# Altium PCB fmuvxX-baseT1.PcbDoc (part 1 of 5) (continued)
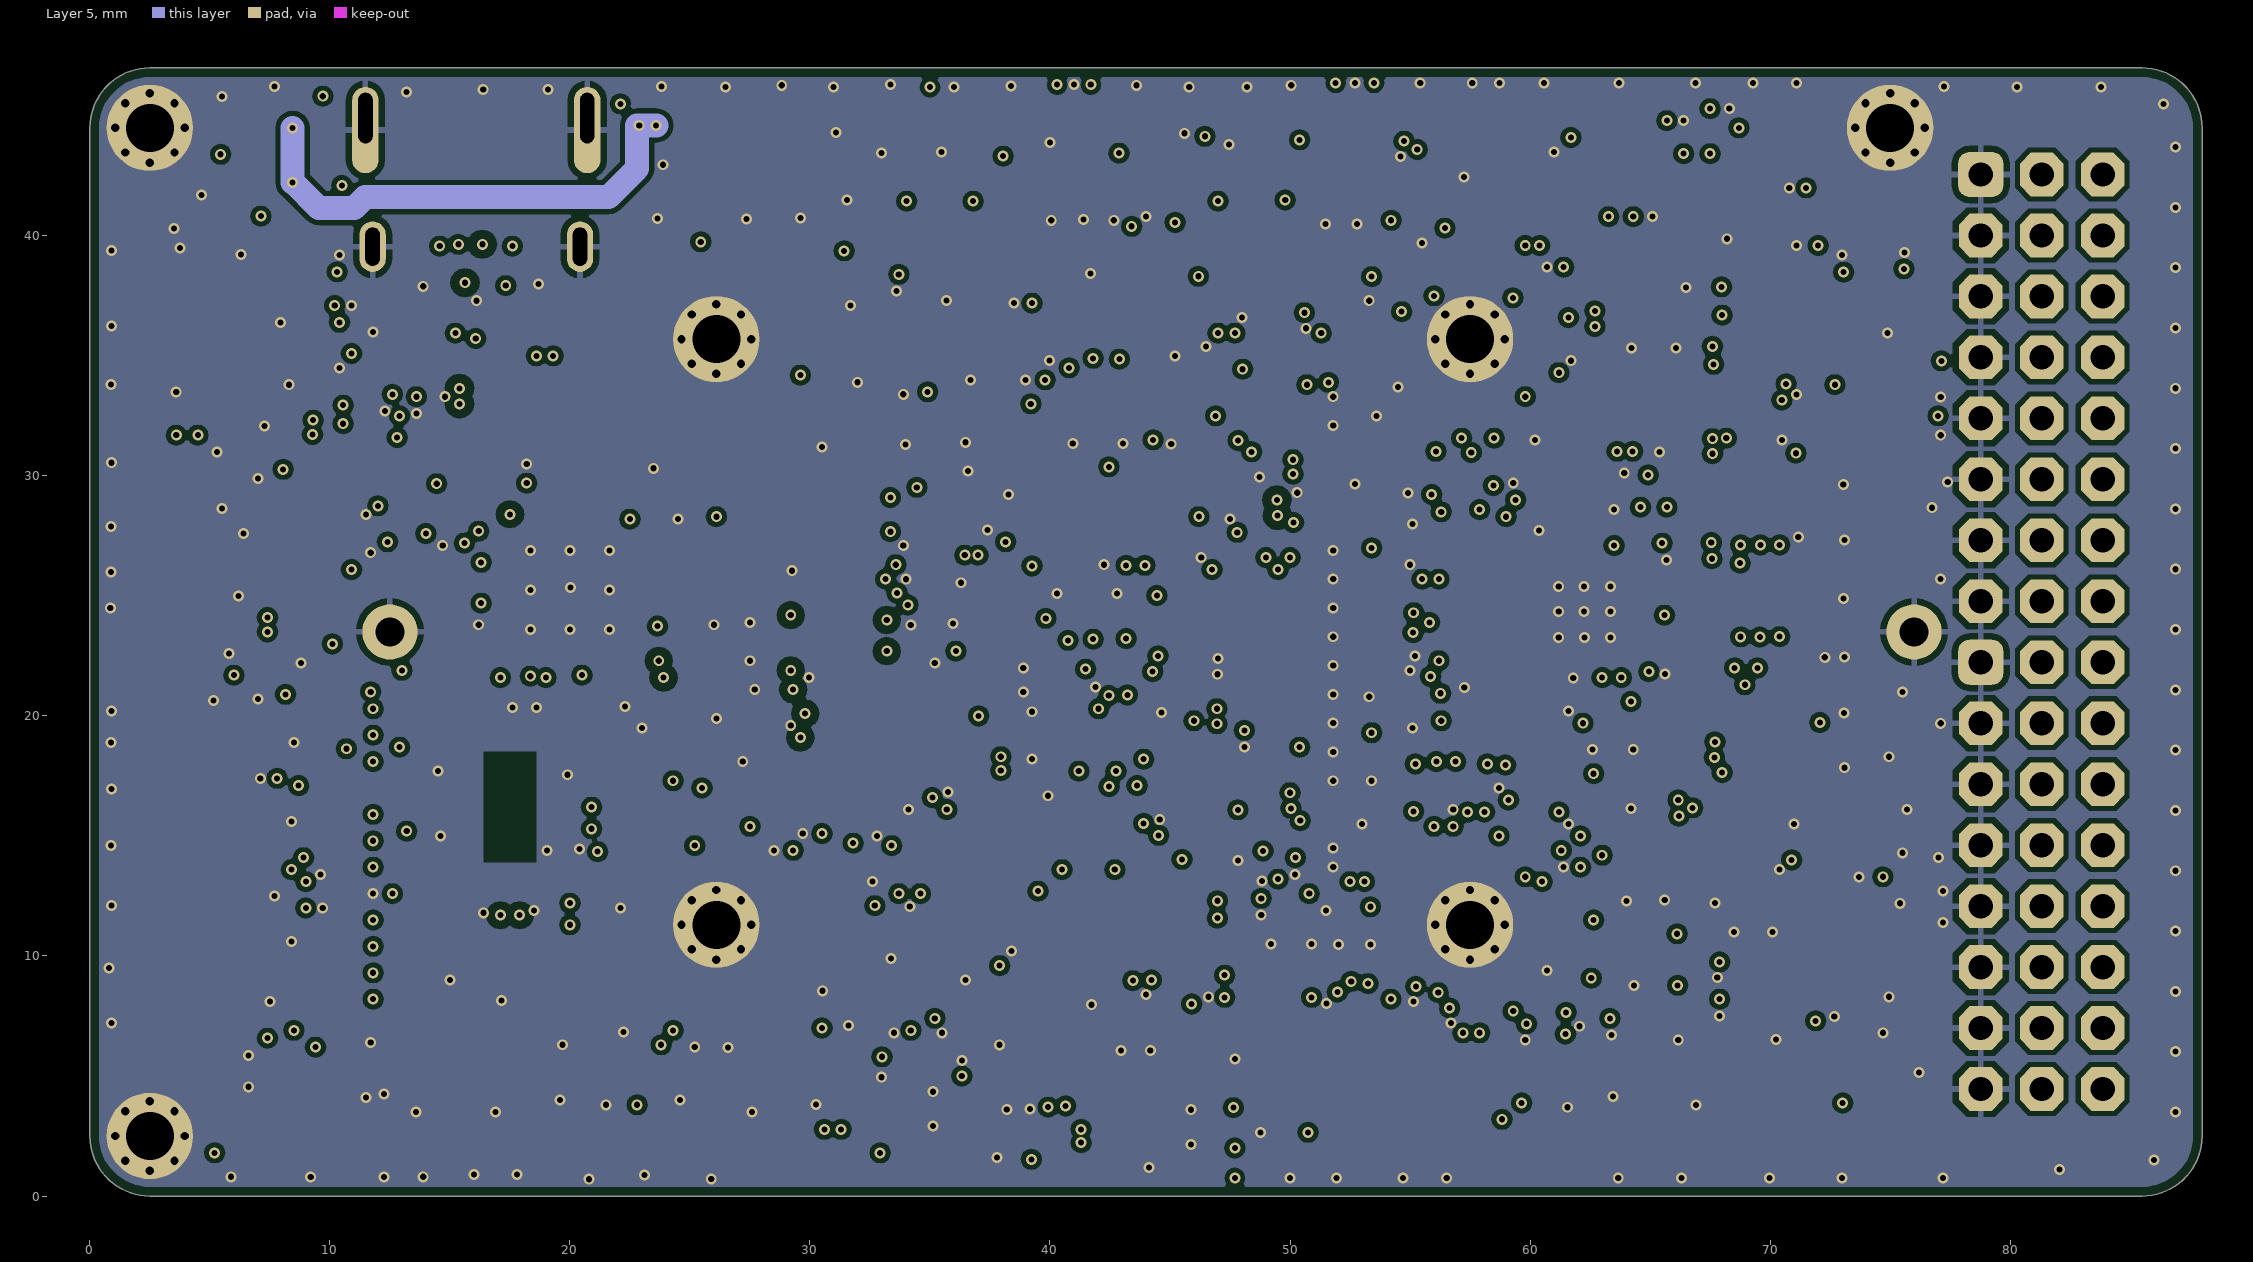
[diagram p5: Layer 5]
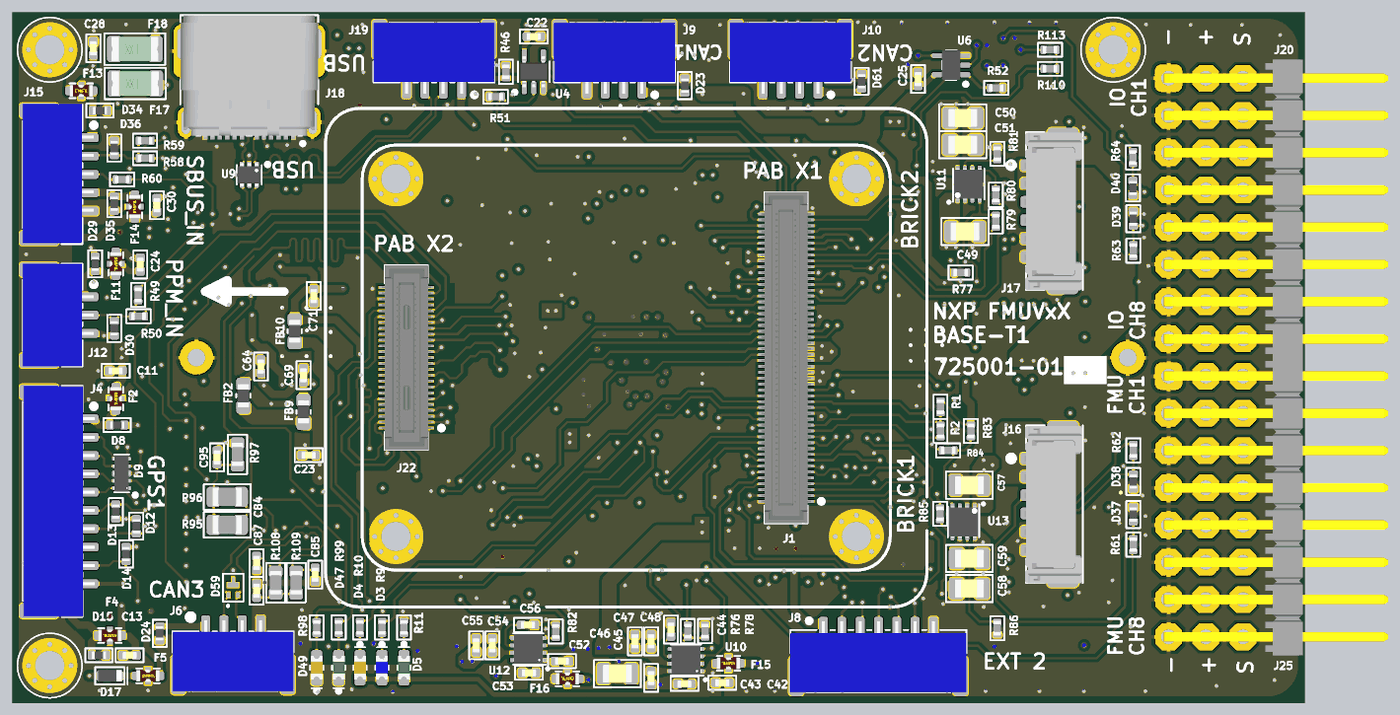
[diagram p10: 3D render of the assembled board from above, using the file's embedded part models]
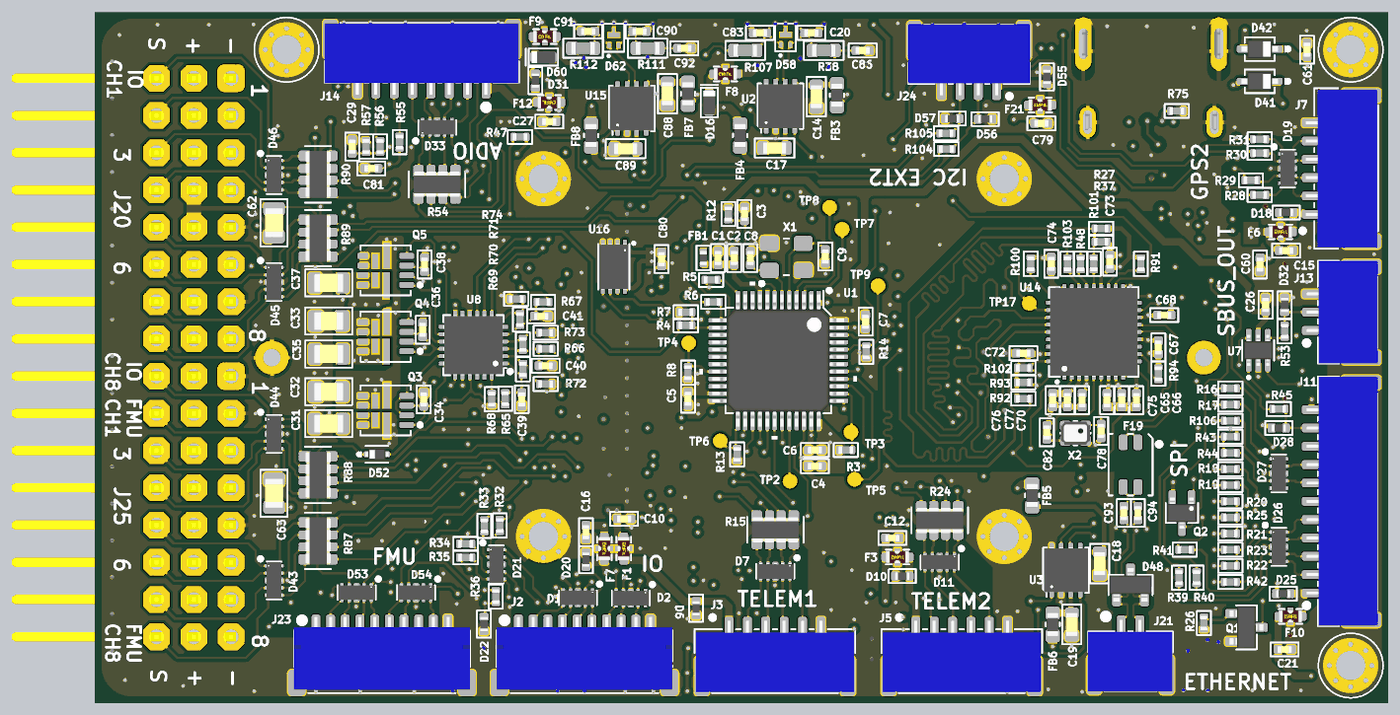
[diagram p11: 3D render of the assembled board from below, using the file's embedded part models]

## Layer stack, top to bottom
Top Solder: solder mask 0.013, Solder Resist, Dk 3.3
Top Layer: signal copper 0.036
Dielectric 1: prepreg 0.102, PP-006, Dk 4.3
Layer 2: signal copper 0.036
Dielectric 2: core 0.145, Core-016, Dk 4.3
Signal Layer 3: signal copper 0.036
Dielectric 3: prepreg 0.838, PP-006, Dk 4.3
Signal Layer 4: signal copper 0.036
Dielectric 4: core 0.145, Core-016, Dk 4.3
Layer 5: signal copper 0.036
Dielectric 5: prepreg 0.102, PP-006, Dk 4.3
Bottom Layer: signal copper 0.036
Bottom Solder: solder mask 0.013, Solder Resist, Dk 3.3

## Board outline
0,2.5 0,44.5 cw(c2.5,44.5) 2.5,47 85.5,47 cw(c85.5,44.5) 88,44.5 88,2.5 cw(c85.5,2.5) 85.5,0 2.5,0 cw(c2.5,2.5)

## Design rules (kind name [scope] priority, off if disabled: settings)
AcuteAngle [All] p1: minimum=6.00000000000000E+0001 checktracksonly=FALSE
BoardOutlineClearance BoardOutlineClearance_silk [OnLayer('Top Overlay') or OnLayer('Bottom Overlay')] p1: gap=0.003 ignorepadtopadclearanceinfootprint=FALSE
BoardOutlineClearance [All] p2: gap=0.381 ignorepadtopadclearanceinfootprint=FALSE
Clearance Eth_Polygon_Clearance [InNet('ETH_TRX_P') or  InNet('ETH_TRX_N') or InNet('TRX_FL_P') or  InNet('TRX_FL_N') or InNet('TRX_P') or  InNet('TRX_N') or InNetClass('ETH') vs InPolygon] p1: gap=0.35 ignorepadtopadclearanceinfootprint=FALSE
Clearance USB_Polygon_Clearance [InNet('USB_D_N') or  InNet('USB_D_P') or InNet('USB_N') or  InNet('USB_P') vs InPolygon] p2: gap=0.372 ignorepadtopadclearanceinfootprint=FALSE
Clearance polygon_Clearance [InPolygon] p3: gap=0.203 ignorepadtopadclearanceinfootprint=FALSE
Clearance [All] p4: gap=0.15 ignorepadtopadclearanceinfootprint=FALSE except(0.178: Arc-Hole Track-Hole SMDPad-Hole THPad-Hole Via-Hole Fill-Hole Poly-Hole Region-Hole)
ComponentClearance ComponentClearance_J20_J25 [InComponent('J20') vs InComponent('J25')] p1: gap=0 collisioncheckmode=3 verticalgap=0.254 showdistances=FALSE
ComponentClearance [All] p2: gap=0.254 collisioncheckmode=3 verticalgap=0.254 showdistances=FALSE
DiffPairsRouting DiffPairsRouting_90 [InDifferentialPair('USB_D') or InDifferentialPair('USB')] p1: maxlimit=0.35 minlimit=0.147 mostfreqgap=0.241 toplayer_mingap=0.152 toplayer_maxgap=0.152 toplayer_prefgap=0.152 toplayer_minwidth=0.155 toplayer_maxwidth=0.155 toplayer_prefwidth=0.155 midlayer2_mingap=0.241 midlayer2_maxgap=0.241 midlayer2_minwidth=0.152 midlayer2_maxwidth=0.152 midlayer2_prefwidth=0.152 midlayer3_mingap=0.241 midlayer3_maxgap=0.241 midlayer3_minwidth=0.152 midlayer3_maxwidth=0.152 midlayer3_prefwidth=0.152 bottomlayer_mingap=0.152 bottomlayer_maxgap=0.152 bottomlayer_prefgap=0.152 bottomlayer_minwidth=0.155 bottomlayer_maxwidth=0.155 bottomlayer_prefwidth=0.155 impedanceprofiledriven=TRUE impedanceprofileid={582D4AD9-8D8F-4ABB-83ED-8BF87B14E83D} impedanceprofilevalue=90.000000 maxuncoupledlength=13.5
DiffPairsRouting DiffPairsRouting_100 [InDifferentialPair('ETH_TRX') Or InDifferentialPair('TRX_FL')  Or InDifferentialPair('TRX')] p2: maxlimit=0.35 minlimit=0.254 mostfreqgap=0.279 toplayer_maxgap=0.254 toplayer_prefgap=0.254 toplayer_minwidth=0.147 toplayer_maxwidth=0.147 toplayer_prefwidth=0.147 midlayer2_mingap=0.279 midlayer2_maxgap=0.279 midlayer2_minwidth=0.127 midlayer2_maxwidth=0.127 midlayer2_prefwidth=0.127 midlayer3_mingap=0.279 midlayer3_maxgap=0.279 midlayer3_minwidth=0.127 midlayer3_maxwidth=0.127 midlayer3_prefwidth=0.127 bottomlayer_maxgap=0.254 bottomlayer_prefgap=0.254 bottomlayer_minwidth=0.147 bottomlayer_maxwidth=0.147 bottomlayer_prefwidth=0.147 impedanceprofiledriven=TRUE impedanceprofileid={C34F4424-A27E-4B82-B8C1-C4FF2DF3FFD5} impedanceprofilevalue=100.000000 maxuncoupledlength=12.7
DiffPairsRouting DiffPairsRouting_120 [InDifferentialPair('CAN1') Or InDifferentialPair('CAN2')  Or InDifferentialPair('CAN3')] p3: maxlimit=0.279 minlimit=0.127 mostfreqgap=0.279 toplayer_mingap=0.254 toplayer_maxgap=0.254 toplayer_prefgap=0.254 toplayer_minwidth=0.147 toplayer_maxwidth=0.147 toplayer_prefwidth=0.147 midlayer2_mingap=0.279 midlayer2_minwidth=0.127 midlayer2_maxwidth=0.127 midlayer2_prefwidth=0.127 midlayer3_mingap=0.279 midlayer3_minwidth=0.127 midlayer3_maxwidth=0.127 midlayer3_prefwidth=0.127 bottomlayer_mingap=0.254 bottomlayer_maxgap=0.254 bottomlayer_prefgap=0.254 bottomlayer_minwidth=0.147 bottomlayer_maxwidth=0.147 bottomlayer_prefwidth=0.147 impedanceprofiledriven=TRUE impedanceprofileid={A86E7AF9-112A-460E-BF0A-543BAE187B35} impedanceprofilevalue=120.000000 maxuncoupledlength=12.7
HoleSize [All] p1: absolutevalues=TRUE maxlimit=3 minlimit=0.152 maxpercent=80.000 minpercent=20.000
MatchedLengths MatchLengths_U14_Passives_J22_1 [InxSignalClass('xSignals_U14_Passives_J22_MatchLengthsClass')] p1: tolerance=2.54 checknetsindiffpair=FALSE checkdiffpairvsdiffpair=TRUE checkxsignals=TRUE checkothers=TRUE
MatchedLengths MatchLengths_xSignals_U14_Passives_1 [InxSignalClass('xSignals_U14_Passives_MatchLengthsClass')] p2: tolerance=2.54 checknetsindiffpair=FALSE checkdiffpairvsdiffpair=TRUE checkxsignals=TRUE checkothers=TRUE
MatchedLengths MatchLengths_xSignals_U14_J22_1 [InxSignalClass('xSignals_U14_J22_MatchLengthsClass')] p3: tolerance=2.54 checknetsindiffpair=FALSE checkdiffpairvsdiffpair=TRUE checkxsignals=TRUE checkothers=TRUE
MatchedLengths MatchLengths_U14_Passives_J22 [InxSignalClass('xSignals_U14_Passives_J22_MatchLengthsClass')] p4: tolerance=2.54 checknetsindiffpair=FALSE checkdiffpairvsdiffpair=TRUE checkxsignals=TRUE checkothers=TRUE
MatchedLengths MatchLengths_xSignals_U14_Passives [InxSignalClass('xSignals_U14_Passives_MatchLengthsClass')] p5: tolerance=2.54 checknetsindiffpair=FALSE checkdiffpairvsdiffpair=TRUE checkxsignals=TRUE checkothers=TRUE
MatchedLengths MatchLengths_xSignals_U14_J22 [InxSignalClass('xSignals_U14_J22_MatchLengthsClass')] p6: tolerance=1 checknetsindiffpair=FALSE checkdiffpairvsdiffpair=TRUE checkxsignals=TRUE checkothers=TRUE
MatchedLengths MatchLengths_xSignals_J22_U14_2 [InxSignalClass('xSignals_J22_U14_MatchLengthsClass_2')] p7: tolerance=12.7 checknetsindiffpair=FALSE checkdiffpairvsdiffpair=TRUE checkxsignals=TRUE checkothers=TRUE
MatchedLengths MatchLengths_xSignals_J22_U14_1 [InxSignalClass('xSignals_J22_U14_MatchLengthsClass_1')] p8: tolerance=12.7 checknetsindiffpair=FALSE checkdiffpairvsdiffpair=TRUE checkxsignals=TRUE checkothers=TRUE
MatchedLengths MatchLengths_xSignals_J22_U14 [InxSignalClass('xSignals_J22_U14_MatchLengthsClass')] p9: tolerance=12.7 checknetsindiffpair=FALSE checkdiffpairvsdiffpair=TRUE checkxsignals=TRUE checkothers=TRUE
MatchedLengths EthRMII [InNetClass('Ethernet')] p10: tolerance=5.08 checknetsindiffpair=FALSE checkdiffpairvsdiffpair=TRUE checkxsignals=TRUE checkothers=TRUE
MatchedLengths "MatchedLengths USB" [InDifferentialPair('USB')] p11: tolerance=0.127 checknetsindiffpair=TRUE checkdiffpairvsdiffpair=FALSE checkxsignals=FALSE checkothers=FALSE
MatchedLengths "MatchedLengths USB_D" [InDifferentialPair('USB_D')] p12: tolerance=0.127 checknetsindiffpair=TRUE checkdiffpairvsdiffpair=FALSE checkxsignals=FALSE checkothers=FALSE
MatchedLengths "MatchedLengths ETH_RD" [InDifferentialPair('ETH_RD')] p13: tolerance=0.127 checknetsindiffpair=TRUE checkdiffpairvsdiffpair=FALSE checkxsignals=FALSE checkothers=FALSE
MatchedLengths "MatchedLengths ETH_TD" [InDifferentialPair('ETH_TD')] p14: tolerance=0.127 checknetsindiffpair=TRUE checkdiffpairvsdiffpair=FALSE checkxsignals=FALSE checkothers=FALSE
MinimumAnnularRing [All] p1: minimumring=0.076
MinimumSolderMaskSliver MinimumSolderMaskSliver_TVS_diode [HasFootprint('UDFN10P50_250X100X55L35X20N') vs HasFootprint('UDFN10P50_250X100X55L35X20N')] p1: minsoldermaskwidth=0.061
MinimumSolderMaskSliver [All] p2: minsoldermaskwidth=0.076
PolygonConnect PolygonConnect_1 [InNet('GND') vs HasFootprint('MOUNT_HOLE_2MM_3.6MM_8via_TH')] p1: connectstyle=Direct reliefconductorwidth=0.254 reliefentries=4 polygonreliefangle="90 Angle" airgapwidth=0.254
PolygonConnect PolygonConnect_VDD_5V_IN [All] p2: thpad.connectstyle=Relief thpad.reliefconductorwidth=0.254 thpad.reliefentries=4 thpad.polygonreliefangle="90 Angle" thpad.airgapwidth=0.254 smdpad.connectstyle=Direct smdpad.reliefconductorwidth=0.254 smdpad.reliefentries=4 smdpad.polygonreliefangle="90 Angle" smdpad.airgapwidth=0.254 via.connectstyle=Direct via.reliefconductorwidth=0.254 via.reliefentries=4 via.polygonreliefangle="90 Angle" via.airgapwidth=0.254
PolygonConnect PolygonConnect_VBUS [InNet('VBUS')] p3: thpad.connectstyle=Relief thpad.reliefconductorwidth=0.254 thpad.reliefentries=4 thpad.polygonreliefangle="90 Angle" thpad.airgapwidth=0.254 smdpad.connectstyle=Direct smdpad.reliefconductorwidth=0.254 smdpad.reliefentries=4 smdpad.polygonreliefangle="90 Angle" smdpad.airgapwidth=0.254 via.connectstyle=Direct via.reliefconductorwidth=0.254 via.reliefentries=4 via.polygonreliefangle="90 Angle" via.airgapwidth=0.254
PolygonConnect [All] p4: thpad.connectstyle=Relief thpad.reliefconductorwidth=0.254 thpad.reliefentries=4 thpad.polygonreliefangle="90 Angle" thpad.airgapwidth=0.254 smdpad.connectstyle=Relief smdpad.reliefconductorwidth=0.127 smdpad.reliefentries=4 smdpad.polygonreliefangle="45 Angle" smdpad.airgapwidth=0.127 via.connectstyle=Direct via.reliefconductorwidth=0.254 via.reliefentries=4 via.polygonreliefangle="90 Angle" via.airgapwidth=0.254
RoutingVias [All] p1: holewidth=0.254 width=0.457 viastyle="Through Hole" minholewidth=0.203 minwidth=0.406 maxholewidth=0.711 maxwidth=1.27
SilkToSilkClearance [All] p1: silktosilkclearance=0.003
SilkToSolderMaskClearance [IsPad] p1: minsilkscreentomaskgap=0.03 clearancetoexposedcopper=TRUE
SolderMaskExpansion [All] p1: expansion=0.076 istentingtop=FALSE
UnRoutedNet [All] p1: checkbadconnections=TRUE
Width [All] p1: maxlimit=1.016 minlimit=0.152 preferedwidth=0.152 toplayer_maxwidth=1 midlayer2_maxwidth=1 midlayer3_maxwidth=1 bottomlayer_maxwidth=1 impedanceprofiledriven=TRUE impedanceprofileid={EA68EFC2-3A90-4951-AC13-0B1093521337} impedanceprofilevalue=50.000000 minimp=50.000000 maximp=50.000000 favimp=50.000000
23 further rules are at their usual default settings.

## Classes and differential pairs
net class ETH: ETH_CRS_DV ETH_MDC ETH_MDIO ETH_REF_CLK ETH_RX_ER ETH_RXD0 ETH_RXD1 ETH_TX_EN ETH_TXD0 ETH_TXD1 NetR48_1 NetR101_1 NetR103_1
differential pair CAN3: +CAN3_P -CAN3_N
differential pair TRX: +TRX_P -TRX_N
differential pair TRX_FL: +TRX_FL_P -TRX_FL_N
differential pair ETH_TRX: +ETH_TRX_P -ETH_TRX_N
differential pair USB: +USB_P -USB_N
differential pair USB_D: +USB_D_P -USB_D_N
differential pair CAN2: +CAN2_P -CAN2_N
differential pair CAN1: +CAN1_P -CAN1_N

## Components (designator, comment, footprint, x,y, rotation, side; value= is the part's Value field where it differs from the comment)
C1 "CAP CER 1UF 20% 10V X5R 0402" CAPC100X50X56L25N 45.6,30.3 r90 bottom value=1UF
C2 "CAP CER 0.1UF 10% 16V X7R 0402" CAPC100X50X56L25N 44.5,30.3 r90 bottom value=0U1
C3 "CAP CER 0.1UF 10% 16V X7R 0402" CAPC100X50X56L25N 43.8,33.3 r90 bottom value=0U1
C4 "CAP CER 1UF 20% 10V X5R 0402" CAPC100X50X56L25N 39,16.1 r0 bottom value=1UF
C5 "CAP CER 0.1UF 10% 16V X7R 0402" CAPC100X50X56L25N 47.65,20.7 r90 bottom value=0U1
C6 "CAP CER 0.1UF 10% 16V X7R 0402" CAPC100X50X56L25N 39,17.2 r0 bottom value=0U1
C7 "CAP CER 0.1UF 10% 16V X7R 0402" CAPC100X50X56L25N 35.55,25.95 r270 bottom value=0U1
C8 "CAP CER 8PF 50V C0G/NP0 0402" CAPC100X50X56L25N 43.4,30.3 r90 bottom value=8pF
C9 "CAP CER 8PF 50V C0G/NP0 0402" CAPC100X50X56L25N 38.3,30.4 r270 bottom value=8pF
C10 "CAP CER 0.1UF 10% 16V X7R 0402" CAPC100X50X56L25N 52,12.5 r180 bottom value=0U1
C11 "CAP CER 0.1UF 10% 16V X7R 0402" CAPC100X50X56L25N 7,22.6 r180 top value=0U1
C12 "CAP CER 0.1UF 10% 16V X7R 0402" CAPC100X50X56L25N 33.725,11.2 r180 bottom value=0U1
C13 "CAP CER 0.1UF 10% 16V X7R 0402" CAPC100X50X56L25N 7.95,3.2 r180 top value=0U1
C14 "CAP CER 0.47UF 10% 10V X7R 0603" CAPC1608X90L30N 38.9,41.3 r270 bottom value=0.47uF
C15 "CAP CER 0.1UF 10% 16V X7R 0402" CAPC100X50X56L25N 6.9,30.8 r180 bottom value=0U1
C16 "CAP CER 0.1UF 10% 16V X7R 0402" CAPC100X50X56L25N 54.6,11.6 r270 bottom value=0U1
C17 "CAP CER 0.47UF 10% 10V X7R 0603" CAPC1608X90L30N 41.75,37.8 r0 bottom value=0.47uF
C18 "CAP CER 0.47UF 10% 10V X7R 0603" CAPC1608X90L30N 19.6,9.45 r270 bottom value=0.47uF
C19 "CAP CER 0.47UF 10% 10V X7R 0603" CAPC1608X90L30N 21.5,5.3 r270 bottom value=0.47uF
C20 "CAP CER 100PF +/-5% 50V COG/NPO 0402" CAPC100X50X56L25N 39.25,45.65 r180 bottom value=100pF
C21 "CAP CER 0.1UF 10% 16V X7R 0402" CAPC100X50X56L25N 7,3.6 r180 bottom value=0U1
C22 "CAP CER 0.1UF 10% 16V X7R 0402" CAPC100X50X56L25N 35.5,45.4 r0 top value=0U1
C23 "CAP CER 0.1UF 10% 16V X7R 0402" CAPC100X50X56L25N 20.15,16.85 r180 top value=0U1
C24 "CAP CER 0.1UF 10% 16V X7R 0402" CAPC100X50X56L25N 8.675,29.85 r270 top value=0U1
C25 "CAP CER 0.1UF 10% 16V X7R 0402" CAPC100X50X56L25N 61.7,42.5 r90 top value=0U1
C26 "CAP CER 0.1UF 10% 16V X7R 0402" CAPC100X50X56L25N 8.3,27.1 r90 bottom value=0U1
C27 "CAP CER 0.1UF 10% 16V X7R 0402" CAPC100X50X56L25N 57.1,39.6 r0 bottom value=0U1
C28 "CAP CER 0.1UF 10% 16V X7R 0402" CAPC100X50X56L25N 5.475,44.6 r90 top value=0U1
C29 "CAP CER 0.1UF 10% 16V X7R 0402" CAPC100X50X56L25N 70.525,37.9 r90 bottom value=0U1
C30 "CAP CER 0.1UF 10% 16V X7R 0402" CAPC100X50X56L25N 9.8,33.9 r90 top value=0U1
C31 "CAP CER 22UF 20% 25V X5R 0805" CAPC200X125X70L40N 72.125,19 r0 bottom value=22uF
C32 "CAP CER 47UF 20% 10V X5R 0805" CAPC200X125X145L45N 72.125,21.175 r0 bottom value=47uF
C33 "CAP CER 47UF 20% 10V X5R 0805" CAPC200X125X145L45N 72.125,26 r0 bottom value=47uF
C34 "CAP CER 0.1UF 10% 16V X7R 0402" CAPC100X50X56L25N 65.65,20.65 r90 bottom value=0U1
C35 "CAP CER 22UF 20% 25V X5R 0805" CAPC200X125X70L40N 72.125,23.75 r0 bottom value=22uF
C36 "CAP CER 0.1UF 10% 16V X7R 0402" CAPC100X50X56L25N 65.725,25.4 r90 bottom value=0U1
C37 "CAP CER 22UF 20% 25V X5R 0805" CAPC200X125X70L40N 72.125,28.6 r0 bottom value=22uF
C38 "CAP CER 0.1UF 10% 16V X7R 0402" CAPC100X50X56L25N 65.6,29.85 r90 bottom value=0U1
C39 "CAP CER 10PF 5% 16V C0G/NP0 0402" CAPC100X50X56L25N 58.975,20.65 r270 bottom value=10PF
C40 "CAP CER 10PF 5% 16V C0G/NP0 0402" CAPC100X50X56L25N 57.35,22.95 r180 bottom value=10PF
C41 "CAP CER 100PF 5% 25V COG/NPO 0402" CAPC100X50X56L25N 57.65,26.325 r180 bottom value=100pF
C42 "CAP CER 10UF 20% 10V X5R 0402" CAPC100X50X56L25N 48.35,1.325 r0 top value=10UF
C43 "CAP CER 0.1UF 10% 16V X7R 0402" CAPC100X50X56L25N 45.775,1.25 r180 top value=0U1
C44 "CAP CER 10NF 10% 50V X7R 0402" CAPC100X50X56L25N 44.85,4.95 r90 top value=10NF
C45 "CAP CER 0.1UF 10% 16V X7R 0402" CAPC100X50X56L25N 43.5,1.65 r270 top value=0U1
C46 "CAP CER 22UF 20% 25V X5R 0805" CAPC200X125X70L40N 41.2,1.95 r180 top value=22uF
C47 "CAP CER 0.1UF 10% 16V X7R 0402" CAPC100X50X56L25N 42.4,4.15 r90 top value=0U1
C48 "CAP CER 10UF 20% 10V X5R 0402" CAPC100X50X56L25N 43.5,4.15 r90 top value=10UF
C49 "CAP CER 22UF 20% 25V X5R 0805" CAPC200X125X70L40N 64.9,32.1 r0 top value=22uF
C50 "CAP CER 47UF 20% 10V X5R 0805" CAPC200X125X145L45N 64.75,39.85 r0 top value=47uF
C51 "CAP CER 47UF 20% 10V X5R 0805" CAPC200X125X145L45N 64.75,38.025 r0 top value=47uF
C52 "CAP CER 10UF 20% 10V X5R 0402" CAPC100X50X56L25N 37.425,2.8 r0 top value=10UF
C53 "CAP CER 0.1UF 10% 16V X7R 0402" CAPC100X50X56L25N 35.175,2 r180 top value=0U1
C54 "CAP CER 0.1UF 10% 16V X7R 0402" CAPC100X50X56L25N 32.675,3.875 r90 top value=0U1
C55 "CAP CER 10UF 20% 10V X5R 0402" CAPC100X50X56L25N 31.575,3.875 r90 top value=10UF
C56 "CAP CER 0.1UF 10% 16V X7R 0402" CAPC100X50X56L25N 35.1,5.275 r0 top value=0U1
C57 "CAP CER 22UF 20% 25V X5R 0805" CAPC200X125X70L40N 65.2,14.8 r180 top value=22uF
C58 "CAP CER 47UF 20% 10V X5R 0805" CAPC200X125X145L45N 65.2,7.75 r180 top value=47uF
C59 "CAP CER 47UF 20% 10V X5R 0805" CAPC200X125X145L45N 65.2,9.8 r180 top value=47uF
C60 "CAP CER 10UF 20% 10V X5R 0402" CAPC100X50X56L25N 8.675,29.85 r270 bottom value=10UF
C61 "CAP CER 10UF 20% 10V X5R 0402" CAPC100X50X56L25N 5.475,44.5 r90 bottom value=10UF
C62 "CAP CER 22UF 20% 25V X5R 0805" CAPC200X125X70L40N 75.85,32.7 r270 bottom value=22uF
C63 "CAP CER 22UF 20% 25V X5R 0805" CAPC200X125X70L40N 75.85,14.25 r90 bottom value=22uF
C64 "CAP CER 1UF 20% 10V X5R 0402" CAPC100X50X56L25N 16.9,22.9 r90 top value=1UF
C65 "CAP CER 0.1UF 10% 16V X7R 0402" CAPC100X50X56L25N 19.1,20.6 r270 bottom value=0U1
C66 "CAP CER 0.1UF 10% 16V X7R 0402" CAPC100X50X56L25N 17.1,20.6 r270 bottom value=0U1
C67 "CAP CER 0.1UF 10% 16V X7R 0402" CAPC100X50X56L25N 15.6,24.2 r270 bottom value=0U1
C68 "CAP CER 0.1UF 10% 16V X7R 0402" CAPC100X50X56L25N 15.2,26.4 r180 bottom value=0U1
C69 "CAP CER 1UF 20% 10V X5R 0402" CAPC100X50X56L25N 19.8,22.3 r90 top value=1UF
C70 "CAP CER 0.1UF 10% 16V X7R 0402" CAPC100X50X56L25N 20.8,20.6 r270 bottom value=0U1
C71 "CAP CER 1UF 20% 10V X5R 0402" CAPC100X50X56L25N 20.5,27.7 r270 top value=1UF
C72 "CAP CER 0.1UF 10% 16V X7R 0402" CAPC100X50X56L25N 24.8,23.8 r0 bottom value=0U1
C73 "CAP CER 0.1UF 10% 16V X7R 0402" CAPC100X50X56L25N 18.9,30.05 r90 bottom value=0U1
C74 "CAP CER 0.1UF 10% 16V X7R 0402" CAPC100X50X56L25N 22.9,29.9 r90 bottom value=0U1
C75 "CAP CER 1UF 20% 10V X5R 0402" CAPC100X50X56L25N 18.1,20.6 r270 bottom value=1UF
C76 "CAP CER 10UF 20% 10V X5R 0402" CAPC100X50X56L25N 22.8,20.6 r270 bottom value=10UF
C77 "CAP CER 0.1UF 10% 16V X7R 0402" CAPC100X50X56L25N 21.8,20.6 r270 bottom value=0U1
C78 "CAP CER 8PF 50V C0G/NP0 0402" CAPC100X50X56L25N 19.5,18.5 r270 bottom value=8pF
C79 "CAP CER 0.1UF 10% 16V X7R 0402" CAPC100X50X56L25N 23.575,39.475 r180 bottom value=0U1
C80 "CAP CER 0.1UF 10% 16V X7R 0402" CAPC100X50X56L25N 49.45,30.225 r270 bottom value=0U1
C81 "CAP CER 1000PF 10% 50V X7R 0402" CAPC100X50X56L25N 69.224,36.405 r0 bottom value=1000pF
C82 "CAP CER 8PF 50V C0G/NP0 0402" CAPC100X50X56L25N 23.2,18.4 r90 bottom value=8pF
C83 "CAP CER 100PF +/-5% 50V COG/NPO 0402" CAPC100X50X56L25N 42.75,45.65 r0 bottom value=100pF
C84 "CAP CER 100PF +/-5% 50V COG/NPO 0402" CAPC100X50X56L25N 16.6,9.5 r270 top value=100pF
C85 "CAP CER 100PF +/-5% 50V COG/NPO 0402" CAPC100X50X56L25N 20.6,8.7 r270 top value=100pF
C86 "CAP CER 4700PF 10% 50V X7R 0402" CAPC100X50X56L25N 35.75,44.45 r180 bottom value=4700pF
C87 "CAP CER 4700PF 10% 50V X7R 0402" CAPC100X50X56L25N 16.6,7.6 r90 top value=4700pF
C88 "CAP CER 0.47UF 10% 10V X7R 0603" CAPC1608X90L30N 49.05,41.5 r270 bottom value=0.47uF
C89 "CAP CER 0.47UF 10% 10V X7R 0603" CAPC1608X90L30N 51.9,37.75 r0 bottom value=0.47uF
C90 "CAP CER 100PF +/-5% 50V COG/NPO 0402" CAPC100X50X56L25N 50.95,45.75 r180 bottom value=100pF
C91 "CAP CER 100PF +/-5% 50V COG/NPO 0402" CAPC100X50X56L25N 54.45,45.75 r0 bottom value=100pF
C92 "CAP CER 4700PF 10% 50V X7R 0402" CAPC100X50X56L25N 47.9,44.6 r180 bottom value=4700pF
C93 "CAP CER 0.1UF 10% 50V X7R 0402" CAPC100X50X56L25N 17.95,12.9 r270 bottom value=0U1
C94 "CAP CER 0.1UF 10% 50V X7R 0402" CAPC100X50X56L25N 17,12.9 r270 bottom value=0U1
C95 "CAP CER 4700PF 10% 50V X7R 0402" CAPC100X50X56L25N 13.9,16.7 r90 top value=4700pF
D1 "DIODE TVS BIDIRECTIONAL 5V 10V 10UDFN" UDFN10P50_250X100X55L35X20N#1 55.15,7.125 r270 bottom
D2 "DIODE TVS BIDIRECTIONAL 5V 10V 10UDFN" UDFN10P50_250X100X55L35X20N#1 51.55,7.1 r270 bottom locked
D3 "LED BLUE CLEAR 0603 SMD" LEDSC80X160X65L40N_BLU 25.15,2.35 r270 top
D4 "LED ORANGE CLEAR 0603 SMD" LEDSC80X160X65L40N_ORA 23.65,2.35 r270 top
D5 "LED GREEN CLEAR 0603 SMD" LEDSC80X160X65L40N_GRN 26.65,2.35 r270 top
D6 "DIODE TVS BIDIRECTIONAL 14VWM 40VC 0402" DIONC100X50X43L20N 47.1,6.4 r90 bottom
D7 "DIODE TVS BIDIRECTIONAL 5V 10V 10UDFN" UDFN10P50_250X100X55L35X20N#1 41.7,8.925 r270 bottom
D8 "DIODE TVS BIDIRECTIONAL 14VWM 40VC 0402" DIONC100X50X43L20N 7.1,18.9 r180 top